# Altium PCB PCB-Tester-Board-V1.PcbDoc (part 2 of 7)
Units mil, origin at the board's own origin, x right, y up, seen from the top; angles counter-clockwise.
Board outline 15748.03 x 11811.02 mil, 8 copper layers (Top Layer, Inner1, Inner2, Inner3, Inner4, Inner5, Inner6, Bottom Layer), stack 59.646 mil thick; 751 components, 658 nets, 2830 pads, 1014 vias.
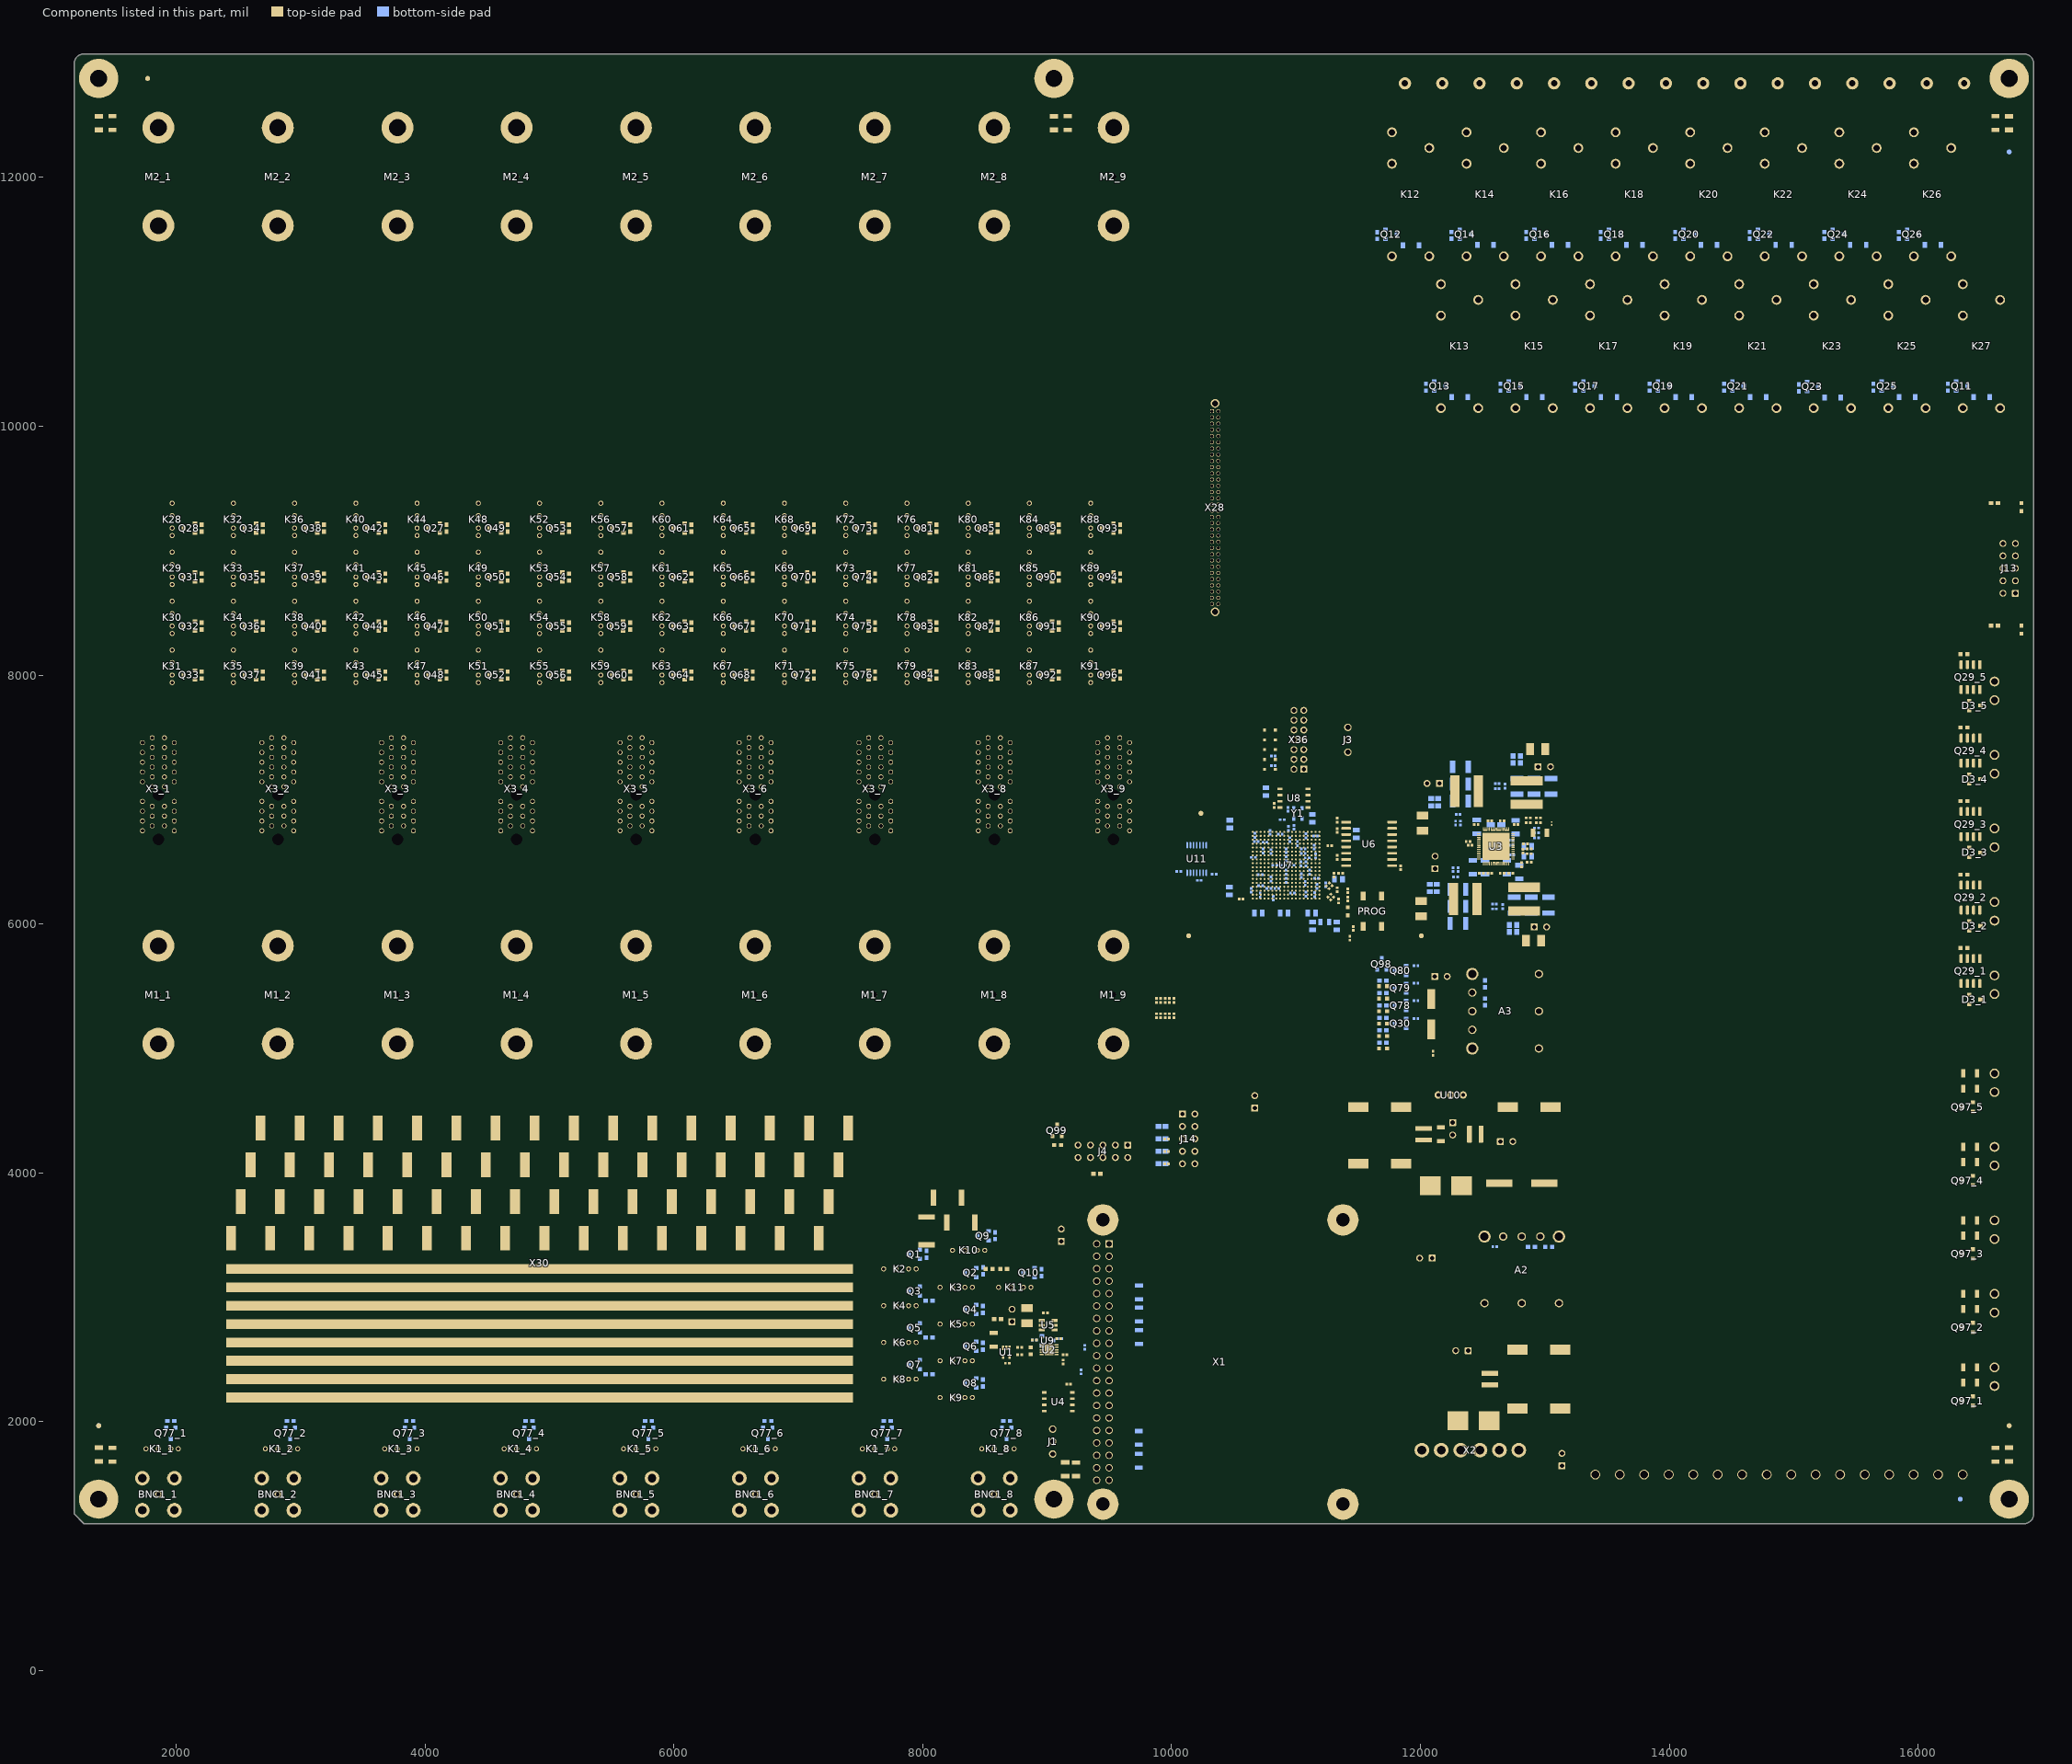
[diagram p8: the components of this part, seen from the top]

## Components (designator, comment, footprint, x,y, rotation, side; value= is the part's Value field where it differs from the comment) (continued)
R49 "R" "R0603 Reflow" 2204.72,8394.57 r270 top value=4K7
R50 "R" "R0603 Reflow" 2204.72,8000.87 r270 top value=4K7
R51 "R" "R0603 Reflow" 2696.85,9181.97 r270 top value=4K7
R52 "R" "R0603 Reflow" 2696.85,8788.27 r270 top value=4K7
R53 "R" "R0603 Reflow" 2696.85,8394.57 r270 top value=4K7
R54 "R" "R0603 Reflow" 2696.85,8000.87 r270 top value=4K7
R55 "R" "R0603 Reflow" 3188.98,9181.97 r270 top value=4K7
R56 "R" "R0603 Reflow" 3188.98,8788.27 r270 top value=4K7
R57 "R" "R0603 Reflow" 3188.98,8394.57 r270 top value=4K7
R58 "R" "R0603 Reflow" 3188.98,8000.87 r270 top value=4K7
R59 "R" "R0603 Reflow" 3681.1,9181.97 r270 top value=4K7
R60 "R" "R0603 Reflow" 3681.1,8788.27 r270 top value=4K7
R61 "R" "R0603 Reflow" 3681.1,8394.57 r270 top value=4K7
R62 "R" "R0603 Reflow" 3681.1,8000.87 r270 top value=4K7
R63 "R" "R0603 Reflow" 4173.23,8788.27 r270 top value=4K7
R64 "R" "R0603 Reflow" 4173.23,8394.57 r270 top value=4K7
R65 "R" "R0603 Reflow" 4173.23,8000.87 r270 top value=4K7
R66 "R" "R0603 Reflow" 4665.35,9181.97 r270 top value=4K7
R67 "R" "R0603 Reflow" 4665.35,8788.27 r270 top value=4K7
R68 "R" "R0603 Reflow" 4665.35,8394.57 r270 top value=4K7
R69 "R" "R0603 Reflow" 4665.35,8000.87 r270 top value=4K7
R70 "R" "R0603 Reflow" 5157.48,9181.97 r270 top value=4K7
R71 "R" "R0603 Reflow" 5157.48,8788.27 r270 top value=4K7
R72 "R" "R0603 Reflow" 5157.48,8394.57 r270 top value=4K7
R73 "R" "R0603 Reflow" 5157.48,8000.87 r270 top value=4K7
R74 "R" "R0603 Reflow" 5649.61,9181.97 r270 top value=4K7
R75 "R" "R0603 Reflow" 5649.61,8788.27 r270 top value=4K7
R76 "R" "R0603 Reflow" 5649.61,8394.57 r270 top value=4K7
R77 "R" "R0603 Reflow" 5649.61,8000.87 r270 top value=4K7
R78 "R" "R0603 Reflow" 6141.73,9181.97 r270 top value=4K7
R79 "R" "R0603 Reflow" 6141.73,8788.27 r270 top value=4K7
R80 "R" "R0603 Reflow" 6141.73,8394.57 r270 top value=4K7
R81 "R" "R0603 Reflow" 6141.73,8000.87 r270 top value=4K7
R82 "R" "R0603 Reflow" 6633.86,9181.97 r270 top value=4K7
R83 "R" "R0603 Reflow" 6633.86,8788.27 r270 top value=4K7
R84 "R" "R0603 Reflow" 6633.86,8394.57 r270 top value=4K7
R85 "R" "R0603 Reflow" 6633.86,8000.87 r270 top value=4K7
R86 "R" "R0603 Reflow" 7125.98,9181.97 r270 top value=4K7
R87 "R" "R0603 Reflow" 7125.98,8788.27 r270 top value=4K7
R88 "R" "R0603 Reflow" 7125.98,8394.57 r270 top value=4K7
R89 "R" "R0603 Reflow" 7125.98,8000.87 r270 top value=4K7
R90 "R" "R0603 Reflow" 7618.11,9181.97 r270 top value=4K7
R91 "R" "R0603 Reflow" 7618.11,8788.27 r270 top value=4K7
R92 "R" "R0603 Reflow" 7618.11,8394.57 r270 top value=4K7
R93 "R" "R0603 Reflow" 7618.11,8000.87 r270 top value=4K7
R94 "R" "R0402 Reflow" 12595.79,6121.31 r0 bottom value=33
R95 "R" "R0402 Reflow" 12595.79,6160.69 r180 bottom value=DNM
R96 "R" "R0402 Reflow" 12263.78,6437.01 r270 bottom value=33
R97 "R" "R0402 Reflow" 12303.15,6437.01 r90 bottom value=DNM
R98 "R" "R0402 Reflow" 9948.82,5386.57 r90 top value=10K
R99 "R" "R0603 Reflow" 11699.47,5245.47 r180 bottom value=3k6
R100 "R" "R0402 Reflow" 9948.82,5263.31 r270 top value=10K
R101 "R" "R0603 Reflow" 11699.47,5345.47 r180 bottom value=3k6
R102 "R" "R0402 Reflow" 9983.98,5386.57 r90 top value=10K
R103 "R" "R0603 Reflow" 11699.47,5445.47 r180 bottom value=DNM
R104 "R" "R0402 Reflow" 9983.98,5263.31 r270 top value=10K
R105 "R" "R0603 Reflow" 11699.47,5545.47 r180 bottom value=3k6
R106 "R" "R0402 Reflow" 10019.98,5386.57 r90 top value=10K
R107 "R" "R0402 Reflow" 9303.15,2598.43 r270 bottom value=33
R108 "R" "R0402 Reflow" 9271.65,2400.79 r270 bottom value=33
R109 "R" "R2512 REFLOW" 8031.5,3533.46 r270 top value=39k
R110 "R" "R2512 REFLOW" 8307.09,3602.36 r0 top value=39k
R111 "R" "R0603 Reflow" 8533.46,3228.35 r180 top value=3k6
R112 "R" "R0603 Reflow" 8651.57,3228.35 r0 top value=3k6
R113 "R" "R2512 REFLOW" 8198.82,3799.21 r180 top value=39k
R114 "R" "R0402 Reflow" 8779.53,2539.37 r180 top value=33
R115 "R" "R0402 Reflow" 9143.7,2539.37 r0 top value=33
R116_1 "R" "R1206 Reflow" 16417.32,2437.2 r180 top value=12k (schematic designator R116)
R116_2 "R" "R1206 Reflow" 16417.32,3027.76 r180 top value=12k (schematic designator R116)
R116_3 "R" "R1206 Reflow" 16417.32,3618.31 r180 top value=12k (schematic designator R116)
R116_4 "R" "R1206 Reflow" 16417.32,4208.86 r180 top value=12k (schematic designator R116)
R116_5 "R" "R1206 Reflow" 16417.32,4799.41 r180 top value=12k (schematic designator R116)
R117_1 "R" "R1206 Reflow" 16417.32,2315.04 r180 top value=12k (schematic designator R117)
R117_2 "R" "R1206 Reflow" 16417.32,2905.59 r180 top value=12k (schematic designator R117)
R117_3 "R" "R1206 Reflow" 16417.32,3496.15 r180 top value=12k (schematic designator R117)
R117_4 "R" "R1206 Reflow" 16417.32,4086.7 r180 top value=12k (schematic designator R117)
R117_5 "R" "R1206 Reflow" 16417.32,4677.25 r180 top value=12k (schematic designator R117)
R118 "R" "R0402 Reflow" 10342.52,6401.57 r180 bottom value=33
R119 "R" "R0402 Reflow" 11417.32,6200.79 r270 top value=33
R120 "R" "R0402 Reflow" 11964.57,5240.16 r0 bottom value=10K
R121 "R" "R0402 Reflow" 12874.02,6496.06 r0 top value=10K
R122 "R" "R0402 Reflow" 12814.96,6476.38 r270 top value=DNM
R123 "R" "R0402 Reflow" 12824.8,6584.65 r90 top value=2R2
R124 "R" "R0402 Reflow" 11964.57,5385.17 r0 bottom value=10K
R125 "R" "R0402 Reflow" 12933.07,6692.91 r0 bottom value=10K
R126 "R" "R0402 Reflow" 12736.22,6555.12 r180 bottom value=DNM
R127 "R" "R0402 Reflow" 9960.61,4273.23 r180 top value=10K
R128 "R" "R0402 Reflow" 9960.61,4172.98 r180 top value=10K
R129 "R" "R0402 Reflow" 9960.61,4073.23 r180 top value=10K
R130 "R" "R0402 Reflow" 12283.28,6811.5 r90 bottom value=DNM
R131 "R" "R0402 Reflow" 11964.57,5524.41 r0 bottom value=DNM
R132 "R" "R0402 Reflow" 12933.07,6732.28 r0 bottom value=DNM
R133 "R" "R0402 Reflow" 12729,6633.63 r180 bottom value=10K
R134 "R" "R0402 Reflow" 12322.65,6811.5 r270 bottom value=DNM
R135 "R" "R0402 Reflow" 12617.08,7128 r0 bottom value=1k
R136 "R" "R0402 Reflow" 12948,6853 r0 top value=10K
R137 "R" "R0402 Reflow" 12867,6853 r180 top value=10K
R138 "R" "R0402 Reflow" 11964.57,5666.14 r0 bottom value=10K
R139 "R" "R0402 Reflow" 12933.07,6771.65 r0 bottom value=10K
R140 "R" "R0402 Reflow" 12729,6673 r180 bottom value=DNM
R141 "R" "R0402 Reflow" 12617.08,7088.63 r180 bottom value=1k
R142 "R" "R1206 Reflow" 12165.35,4311.02 r90 top value=DNM
R143 "R" "R0603 Reflow" 8110.24,9181.97 r270 top value=4K7
R144 "R" "R0603 Reflow" 8110.24,8788.27 r270 top value=4K7
R145 "R" "R0603 Reflow" 8110.24,8394.57 r270 top value=4K7
R146 "R" "R0603 Reflow" 8110.24,8000.87 r270 top value=4K7
R147 "R" "R0603 Reflow" 8602.36,9181.97 r270 top value=4K7
R148 "R" "R0603 Reflow" 8602.36,8788.27 r270 top value=4K7
R149 "R" "R0603 Reflow" 8602.36,8394.57 r270 top value=4K7
R150 "R" "R0603 Reflow" 8602.36,8000.87 r270 top value=4K7
R151 "R" "R0603 Reflow" 9094.49,9181.97 r270 top value=4K7
R152 "R" "R0603 Reflow" 9094.49,8788.27 r270 top value=4K7
R153 "R" "R0603 Reflow" 9094.49,8394.57 r270 top value=4K7
R154 "R" "R0603 Reflow" 9094.49,8000.87 r270 top value=4K7
R155 "R" "R0603 Reflow" 9586.61,9181.97 r270 top value=4K7
R156 "R" "R0603 Reflow" 9586.61,8788.27 r270 top value=4K7
R157 "R" "R0603 Reflow" 9586.61,8394.57 r270 top value=4K7
R158 "R" "R0603 Reflow" 9586.61,8000.87 r270 top value=4K7
R159 "R" "R0402 Reflow" 11359.05,6408.52 r0 top value=330
R160 "R" "R0402 Reflow" 10817.91,7271.65 r180 bottom value=4K7
R161 "R" "R0402 Reflow" 10817.91,7350.39 r180 bottom value=4K7
R162 "R" "R0402 Reflow" 11305.97,6393.7 r90 top value=DNM
R163 "R" "R0402 Reflow" 11271.65,6629.43 r0 top value=33
R164 "R" "R0402 Reflow" 11330.71,6834.65 r90 top value=4K7
R165 "R" "R0402 Reflow" 11842.52,6452.76 r270 top value=4K7
R166_1 "R" "R1206 Reflow" 9736.28,1685.43 r90 bottom value=12k (schematic designator R166)
R166_2 "R" "R1206 Reflow" 9736.28,1870.08 r90 bottom value=12k (schematic designator R166)
R166_3 "R" "R1206 Reflow" 9737.82,2681.1 r90 bottom value=12k (schematic designator R166)
R166_4 "R" "R1206 Reflow" 9737.82,2862.2 r90 bottom value=12k (schematic designator R166)
R166_5 "R" "R1206 Reflow" 9737.82,3040.62 r90 bottom value=12k (schematic designator R166)
R167 "R" "R0603 Reflow" 11700,5046 r180 bottom value=3k6
R168 "R" "R0603 Reflow" 11699.47,5145.47 r180 bottom value=3k6
R169 "R" "R0402 Reflow" 11279.53,6318.9 r315 top value=DNM
R170 "R" "R0402 Reflow" 11330.71,6275.59 r90 top value=DNM
R171 "R" "R0402 Reflow" 11255.37,6295.24 r315 top value=DNM
R172 "R" "R0402 Reflow" 11291.87,6228.38 r315 top value=DNM
R173 "R" "R0402 Reflow" 11343.05,6185.08 r90 top value=DNM
R174 "R" "R0402 Reflow" 11267.72,6204.72 r315 top value=DNM
R175 "R" "R0603 Reflow" 16614.17,8398.62 r180 top value=1k8
R176 "R" "R0603 Reflow" 16614.17,9382.87 r180 top value=1k8
R177 "R" "R1206 Reflow" 8569.96,2659.79 r90 top value=360k
R178 "R" "R1206 Reflow" 1488.19,1736.22 r90 top value=DNM
R179 "R" "R1206 Reflow" 9232.28,1618.11 r90 top value=DNM
R180 "R" "R1206 Reflow" 16622.05,1736.22 r90 top value=DNM
R181 "R" "R1206 Reflow" 16622.05,12437.01 r270 top value=DNM
R182 "R" "R1206 Reflow" 9165.35,12437.01 r270 top value=DNM
R183 "R" "R1206 Reflow" 1488.19,12437.01 r270 top value=DNM
R184 "R" "R0402 Reflow" 10223.47,6350.61 r0 bottom value=10K
R185 "R" "R0603 Reflow" 9084.65,4223.23 r180 top value=4K7
R186 "R" "R0402 Reflow" 11433.07,5885.83 r270 top value=10K
R187 "R" "R0603 Reflow" 9401.57,3992.13 r180 top value=4K7
R188 "R" "R0402 Reflow" 10559.06,6201.24 r180 top value=1k
TP1 "TP" "DUALTESTPOINT 100MILS" 9114.17,3498.82 r90 top
TP2 "TP" "DUALTESTPOINT 100MILS" 8717.99,2854.33 r90 top
TP3 "TP" "DUALTESTPOINT 100MILS" 13137.8,1695.67 r90 top
TP4 "TP" "DUALTESTPOINT 100MILS" 12334.65,2570.87 r180 top
TP5 "TP" "DUALTESTPOINT 100MILS" 12044.49,3314.96 r180 top
TP6 "TP" "DUALTESTPOINT 100MILS" 12964.57,5976.38 r0 bottom
TP7 "TP" "DUALTESTPOINT 100MILS" 12118.11,6494.88 r90 bottom
TP8 "TP" "DUALTESTPOINT 100MILS" 12103.54,7129.92 r180 bottom
TP9 "TP" "DUALTESTPOINT 100MILS" 12996.06,7263.78 r0 bottom
TP10 "TP" "DUALTESTPOINT 100MILS" 10669.29,4570.87 r90 top
TP11 "TP" "DUALTESTPOINT 100MILS" 12259.84,4354.33 r270 top
TP12 "TP" "DUALTESTPOINT 100MILS" 12692.91,4251.97 r0 top
TP13 "TP" "DUALTESTPOINT 100MILS" 12165.35,5578.74 r0 top
U1 "U" SC70-5 8671.26,2559.06 r180 top
U2 "U" TDFN10EP 9015.75,2578.74 r270 top
U3 "IRPS5401M" QFN4-7x7-56_IRPS5401M 12608.27,6624.02 r270 top
U4 "U" "SOIC8 (R-8)" 9089.76,2160.83 r270 top
U5 "U" TSOT23-6(S6) 9008.27,2775.59 r90 top
U6 "U" SOICW-16 11588,6644 r0 top
U7 "U" XC7A15T-1CSG324C 10921.26,6472.44 r0 top
U8 "U" "SOIC8 (R-8)" 10984.25,7011.81 r90 top
U9 "U" SOT23-3 9003.94,2652.56 r270 bottom
U10 "U" "3SIP Traco" 12244.09,4625.98 r0 top
U11 "U" TSSOP14 10202.76,6522.64 r270 bottom
X1 "X" "RPI4B Footprint" 9448.57,2480.32 r270 top locked
X2 "X" B6PS-VH 12401.57,1771.65 r0 top locked
X3_1 "X" PCIE-036-02-F-D-TH 1857.78,7038.5 r90 top locked (schematic designator X3)
X3_2 "X" PCIE-036-02-F-D-TH 2817.42,7038.5 r90 top locked (schematic designator X3)
X3_3 "X" PCIE-036-02-F-D-TH 3779.53,7038.5 r90 top locked (schematic designator X3)
X3_4 "X" PCIE-036-02-F-D-TH 4736.71,7038.5 r90 top locked (schematic designator X3)
X3_5 "X" PCIE-036-02-F-D-TH 5696.36,7038.5 r90 top locked (schematic designator X3)
X3_6 "X" PCIE-036-02-F-D-TH 6653.54,7038.5 r90 top locked (schematic designator X3)
X3_7 "X" PCIE-036-02-F-D-TH 7615.65,7038.5 r90 top locked (schematic designator X3)
X3_8 "X" PCIE-036-02-F-D-TH 8575.3,7038.5 r90 top locked (schematic designator X3)
X3_9 "X" PCIE-036-02-F-D-TH 9534.96,7038.5 r90 top locked (schematic designator X3)
X4 "X" 691352710002 13503.94,1141.73 r0 top locked
X5 "X" 1731721 12025.98,12755.91 r180 top locked
X6 "X" 691312710002 13503.94,1574.8 r0 top locked
X7 "X" 691352710002 15472.44,1141.73 r0 top locked
X8 "X" 1731721 12625.2,12755.91 r180 top locked
X9 "X" 691312710002 13897.64,1574.8 r0 top locked
X10 "X" 691352710002 15866.14,1141.73 r0 top locked
X11 "X" 1731721 13224.41,12755.91 r180 top locked
X12 "X" 691312710002 14291.34,1574.8 r0 top locked
X13 "X" 691312710002 14685.04,1574.8 r0 top locked
X14 "X" 1731721 13823.62,12755.91 r180 top locked
X15 "X" 691352710002 16259.84,1141.73 r0 top locked
X16 "X" 691312710002 15078.74,1574.8 r0 top locked
X17 "X" 691352710002 15078.74,1141.73 r0 top locked
X18 "X" 1731721 14422.83,12755.91 r180 top locked
X19 "X" 691312710002 15472.44,1574.8 r0 top locked
X20 "X" 1731721 15022.05,12755.91 r180 top locked
X21 "X" 691352710002 13897.64,1141.73 r0 top locked
X22 "X" 691312710002 15866.14,1574.8 r0 top locked
X23 "X" 1731721 15621.26,12755.91 r180 top locked
X24 "X" 691312710002 16259.84,1574.8 r0 top locked
X25 "X" 691352710002 14291.34,1141.73 r0 top locked
X26 "X" 1731721 16220.47,12755.91 r180 top locked
X27 "X" 691352710002 14685.04,1141.73 r0 top locked
X28 "X" TFC-132-01-F-D-LA 10350.51,9346.46 r270 top locked
X30 "X" CONFIG64 4921.26,3917.32 r0 top
X31_1 "X" 691322310002 16614.17,2362.2 r90 top locked (schematic designator X31)
X31_2 "X" 691322310002 16614.17,2952.76 r90 top locked (schematic designator X31)
X31_3 "X" 691322310002 16614.17,3543.31 r90 top locked (schematic designator X31)
X31_4 "X" 691322310002 16614.17,4133.86 r90 top locked (schematic designator X31)
X31_5 "X" 691322310002 16614.17,4724.41 r90 top locked (schematic designator X31)
X32_1 "X" 691361300002 16929.13,2362.2 r90 top locked (schematic designator X32)
X32_2 "X" 691361300002 16929.13,2952.76 r90 top (schematic designator X32)
X32_3 "X" 691361300002 16929.13,3543.31 r90 top (schematic designator X32)
X32_4 "X" 691361300002 16929.13,4133.86 r90 top (schematic designator X32)
X32_5 "X" 691361300002 16929.13,4724.41 r90 top (schematic designator X32)
X33_1 "X" 691322310002 16614.17,5511.81 r90 top locked (schematic designator X33)
X33_2 "X" 691322310002 16614.17,6102.36 r90 top locked (schematic designator X33)
X33_3 "X" 691322310002 16614.17,6692.91 r90 top locked (schematic designator X33)
X33_4 "X" 691322310002 16614.17,7283.46 r90 top locked (schematic designator X33)
X33_5 "X" 691322310002 16614.17,7874.02 r90 top locked (schematic designator X33)
X34_1 "X" 691361300002 16929.13,5511.81 r90 top locked (schematic designator X34)
X34_2 "X" 691361300002 16929.13,6102.36 r90 top (schematic designator X34)
X34_3 "X" 691361300002 16929.13,6692.91 r90 top (schematic designator X34)
X34_4 "X" 691361300002 16929.13,7283.46 r90 top (schematic designator X34)
X34_5 "X" 691361300002 16929.13,7874.02 r90 top (schematic designator X34)
X36 "X" LTMM-107-02-F-D 11023.62,7480.31 r90 top locked
Y1 "Y" 4SMD 11015.75,6889.76 r270 bottom
Z1 "Z" HSM2.5-6.4-16-2 9450.75,1338.58 r0 top locked
Z2 "Z" HSM2.5-6.4-16-2 9448.82,3622.05 r0 top locked
Z3 "Z" HSM2.5-6.4-16-2 11377.95,3622.05 r0 top locked
Z4 "Z" HSM2.5-6.4-16-2 11377.7,1338.58 r0 top locked

## Footprints (in the part's own frame and the unit in brackets; to place one, negate y for a bottom-side part, rotate by r counter-clockwise, add the part's x,y. Pads: shape width x height; smd on the part's side, far side on the other; paste and mask are expansions set on the pad)
"3SIP Traco" [mm] "Traco (1951-2692-ND)"
  round 1.5 hole 0.8: 1(-2.54,0) 2(0,0) 3(2.54,0)
  silkscreen extent -7.35,-4.13 7.35,4.13, body extent -7,-3.9 7,3.6, height 10.1
4SMD [mm]
  rect 0.9x0.65 smd paste+0: 1(-1.05,-0.825) 2(1.05,-0.825) 3(1.05,0.825) 4(-1.05,0.825)
  body extent -1.6,-1.25 1.6,1.25, height 1.2
118-1A [mil] "ATE Relay (NO)"
  round 40 hole 25: 1(-130,0) 2(-70,0) 3(30,0) 4(130,0)
  silkscreen extent -160,-95 160,95, body extent -160,-95 160,94, height 600
1731721 [mm] "TERM BLK 2P SIDE ENT 7.62MM PCB"
  round 2.5 hole 1.3: 1(-3.805,0) 2(3.805,0)
  silkscreen extent -8.3,-5.6 7.7,5.8, body extent -8.21,-5.5 7.6,5.7, height 18.35
691312710002 [mm] "TERM BLOCK HDR 2POS 90DEG 5MM"
  round 2 hole 1.6 paste-2: 1(-2.5,0) 2(2.5,0)
  silkscreen extent -5,-10 5,2, body extent -5,-10 5,2, height 8.5
691322310002 [mm] "TERM BLOCK HDR 2POS 90DEG 3.81MM"
  round 2 hole 1.4 paste+0: 1(-1.905,0) 2(1.905,0)
  silkscreen extent -4.4,-5.71 4.41,1.2, body extent -4.4,-8 4.41,1.2, height 7.2
691352710002 [mil] "TERM BLOCK PLUG 2POS STR 5MM"
  silkscreen extent -197,-795 197,-394, body extent -197,-795 197,-79, height 596
691361300002 [mil] "TERM BLOCK PLUG 2POS STR 3.81MM"
  body extent -150,-669 150,-47, height 303
B6PS-VH [mm] "CONN HEADER R/A 6POS 3.96MM"
  round 3 hole 1.8: 1(-9.9,0) 2(-5.94,0) 3(-1.98,0) 4(1.98,0) 5(5.94,0) 6(9.9,0)
  silkscreen extent -11.88,-20.5 11.88,1.98, body extent -11.85,-14.9 11.85,0.57, height 8.5
BNC [mm] "112778"
  round 3 hole 1.7: 0(-3.275,3.275) 0(-3.275,-3.275) 0(3.275,3.275) 0(3.275,-3.275)
  round 1.5 hole 0.8: 1(0,0)
  silkscreen extent -5.3,-5.3 5.3,5.3, body extent -5.26,-5.25 5.26,22.64, height 11.64
"C0402 Reflow" [mm] "SMT CAP 0402 Reflow Soldering"
  rect 0.55x0.55 smd: 1(-0.4,0) 2(0.4,0)
  body extent -0.5,-0.25 0.5,0.25, height 0.5
"C0603 Reflow" [mm] "Chip Capacitor; Body 1.6x0.8mm (LxW typ), IPC High Density"
  rect 0.75x0.9 smd: 1(-0.7,0) 2(0.7,0)
  body extent -0.87,-0.48 0.87,0.48, height 0.85
"C0805 Reflow" [mm] "SMT Capacitor 0805 Reflow Soldering"
  rect 0.95x1.35 smd: 1(-0.8,0) 2(0.8,0)
  body extent -1,-0.62 1,0.63, height 0.6
"C1206 Reflow" [mm] "SMT Capacitor 1206 Reflow Soldering"
  rect 0.95x1.7 smd: 1(-1.4,0) 2(1.4,0)
  body extent -1.6,-0.8 1.6,0.8, height 0.78
"C1210 Reflow" [mm] "SMT Capacitor 1210 Reflow Soldering"
  rect 1.1x2.6 smd: 1(-1.6,0) 2(1.6,0)
  body extent -1.6,-1.25 1.6,1.25, height 0.78
CAP_EL_KE0 [mm] "Electrolytic capacitor package KE0"
  rect 1.5x5.4 smd mask+0.05: 1(0,4.6) 2(0,-4.6)
  silkscreen extent -6.6,-6.6 6.6,6.6, body extent -6.6,-6.95 6.6,6.95, height 14